# KiCad board dya-left.kicad_pcb
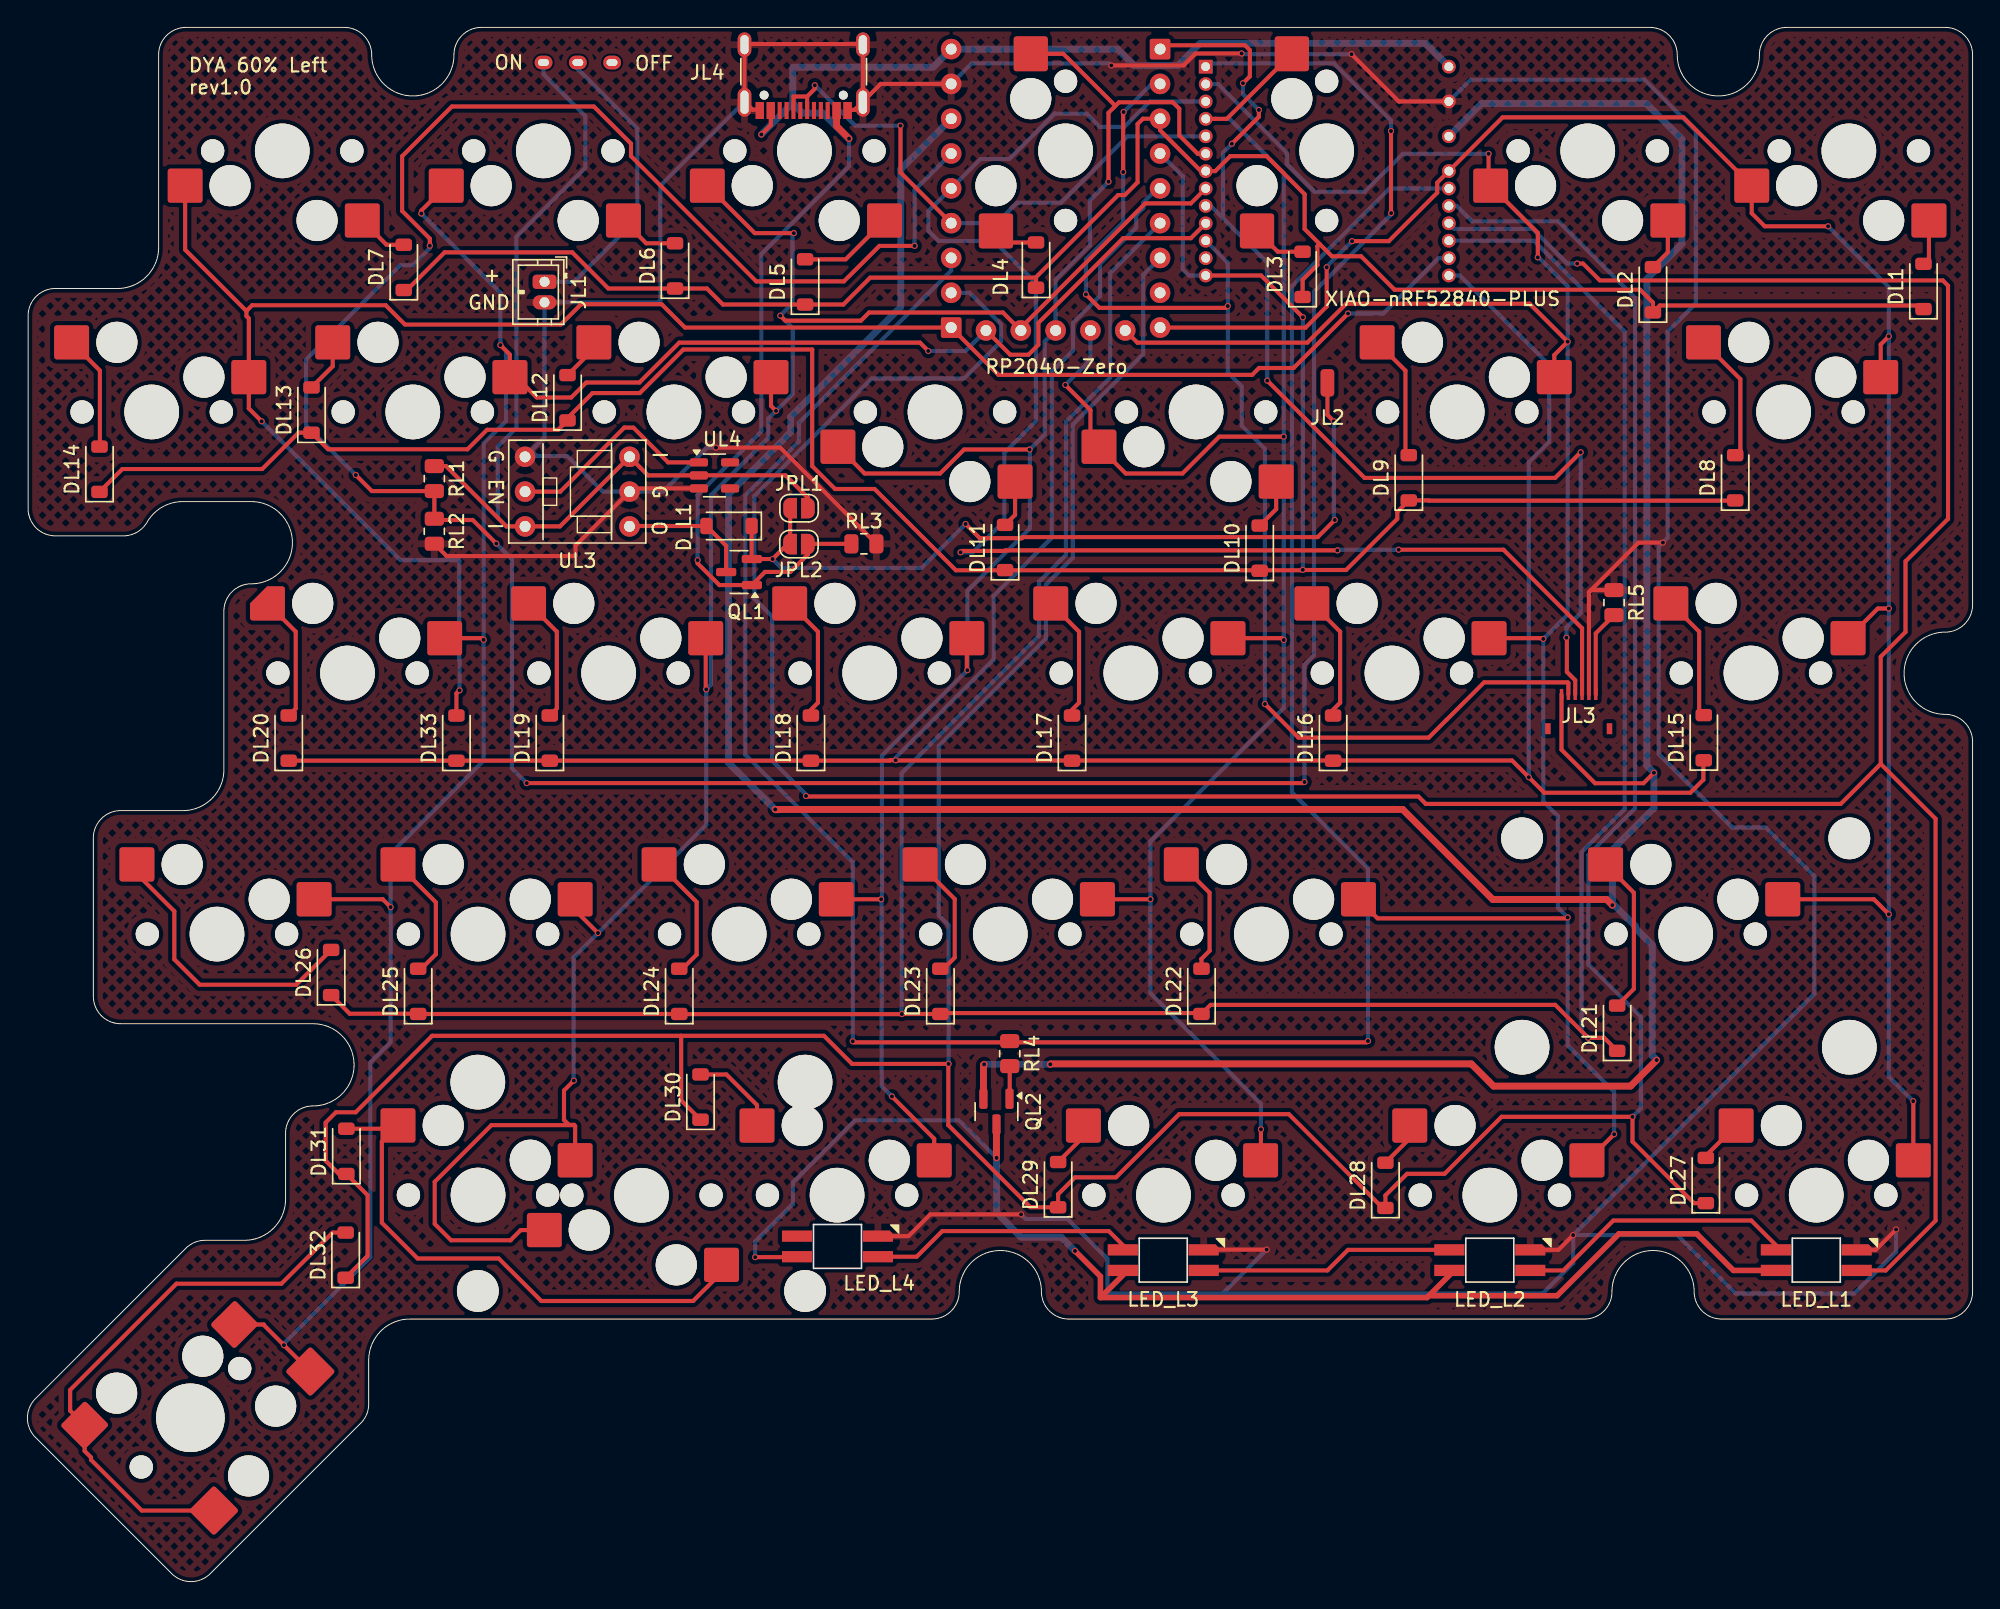
[diagram p0: board, top side]
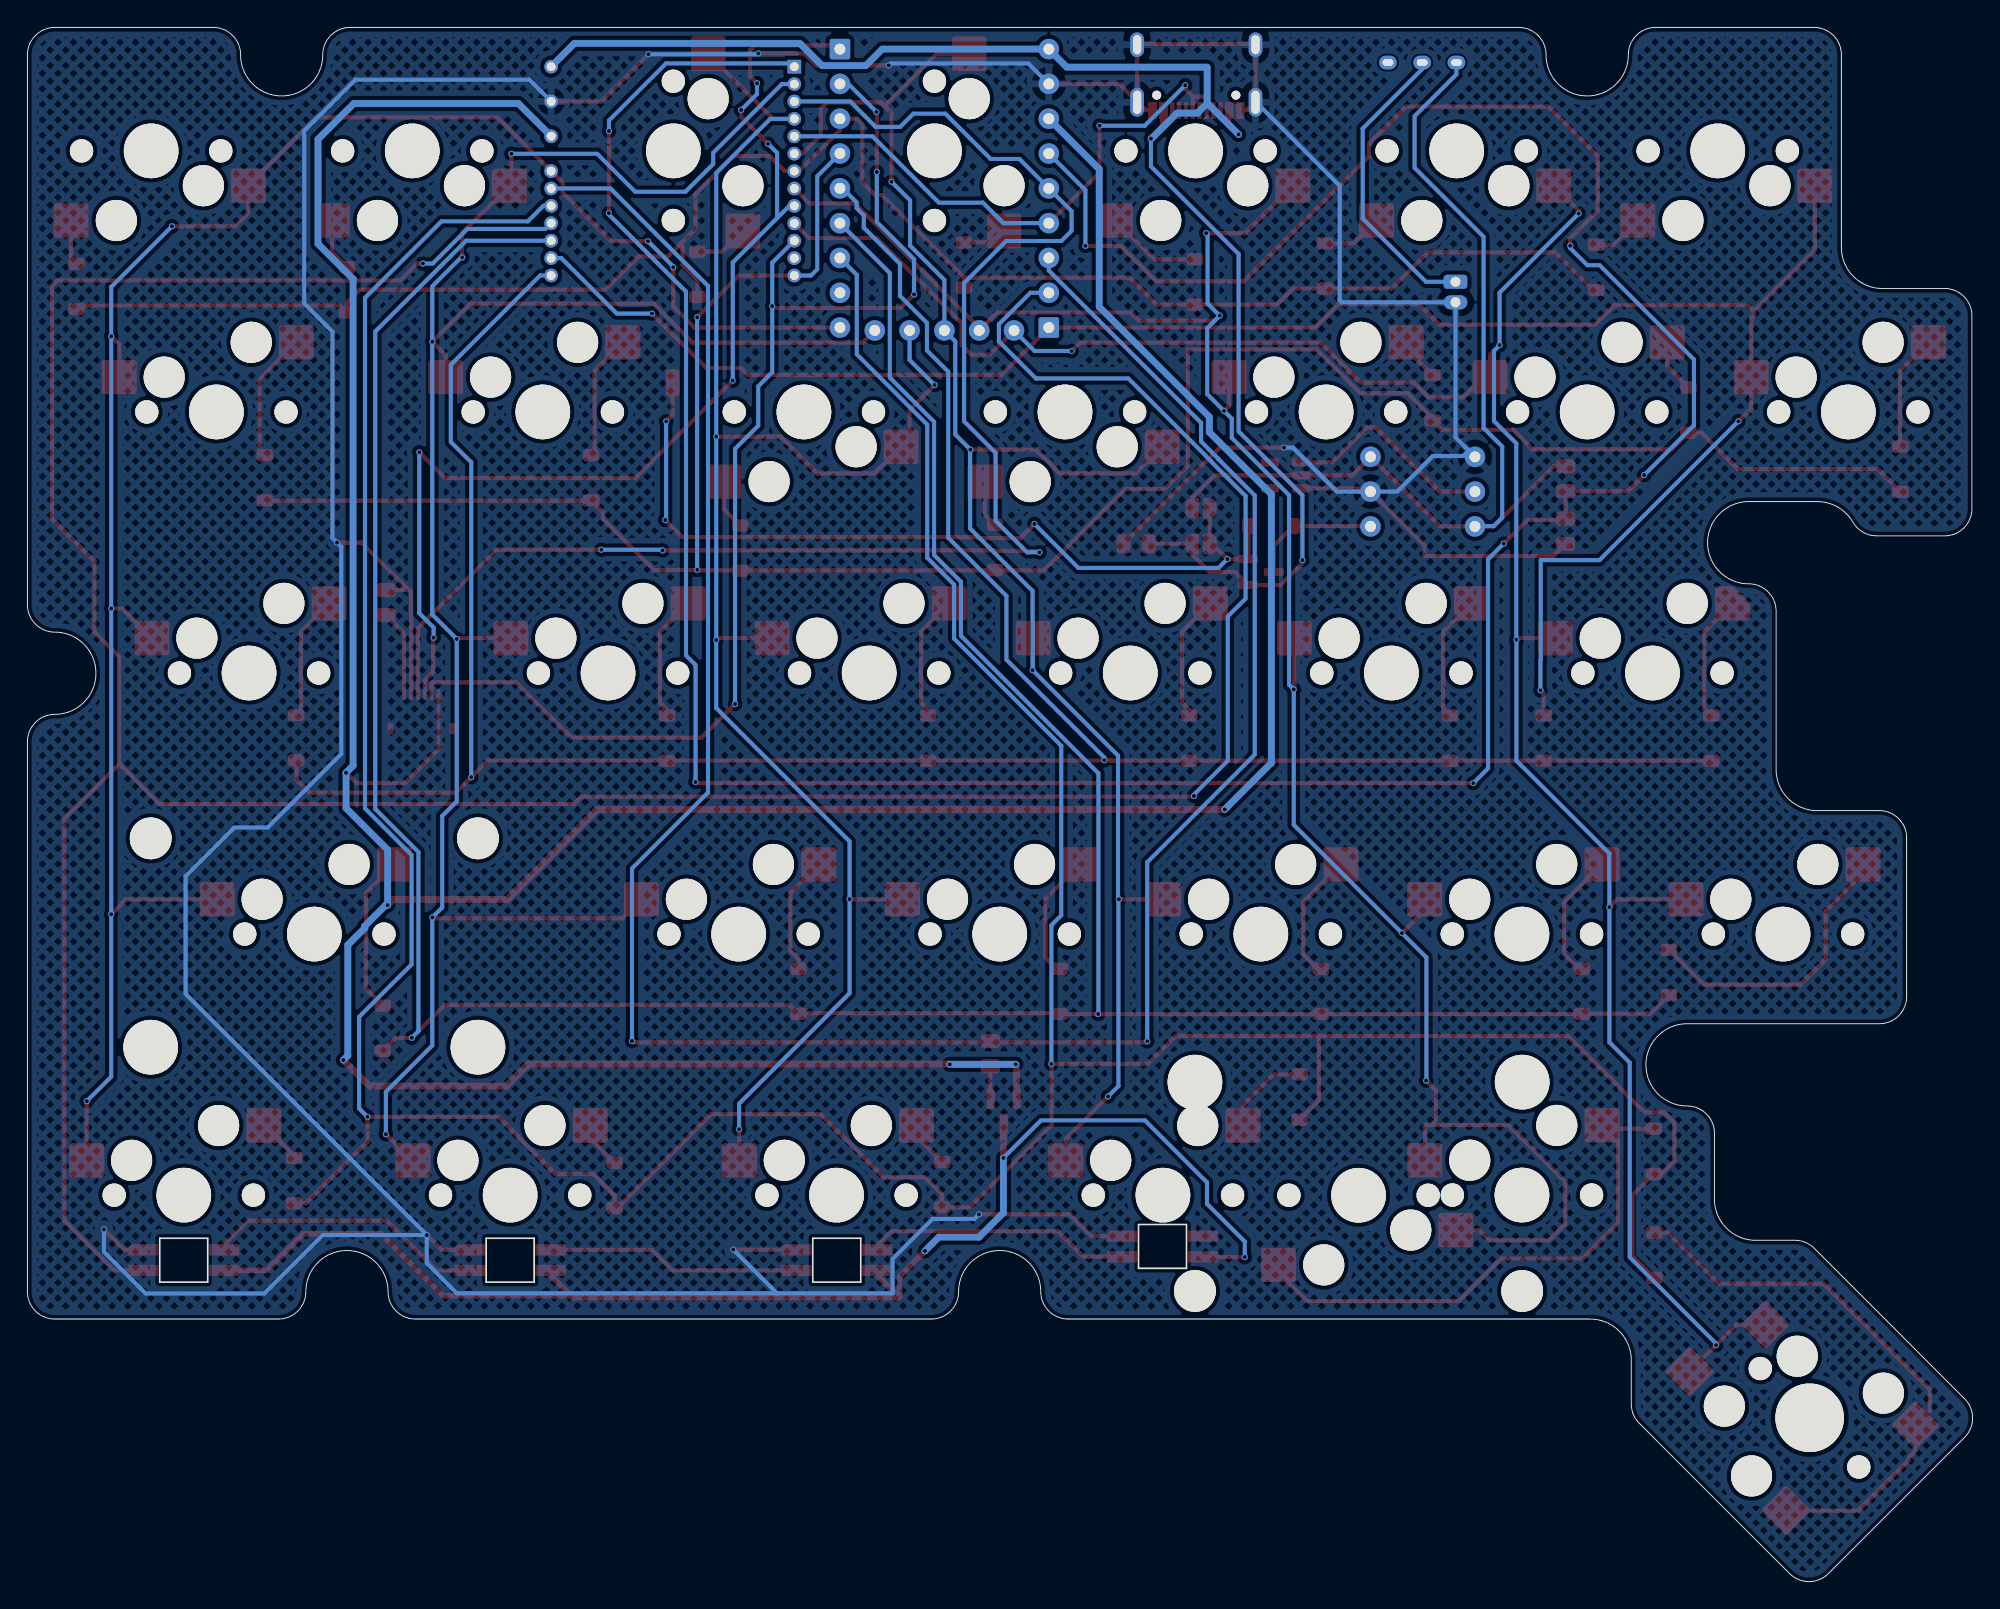
[diagram p1: board, bottom side, seen from below]

Outline 141.92 x 113.41 mm; copper layers: Top, Bottom. Coordinates in mm from the lower left corner of the outline.
Outline path: outline of 1331 points within 0,0 141.92,113.41 closed

## Placement (name value [footprint] x y rotation side)
D_L1  D  [D_SOD-123]  51.19 77.03 180 top
DL1  D  [D_SOD-123]  138.34 94.51 90 top
DL2  D  [D_SOD-123]  118.6 94.27 90 top
DL3  D  [D_SOD-123]  93.04 95.39 90 top
DL4  D  [D_SOD-123]  73.59 96.07 90 top
DL5  D  [D_SOD-123]  56.74 94.84 90 top
DL6  D  [D_SOD-123]  47.25 96.01 90 top
DL7  D  [D_SOD-123]  27.46 95.9 90 top
DL8  D  [D_SOD-123]  124.6 80.55 90 top
DL9  D  [D_SOD-123]  100.79 80.55 90 top
DL10  D  [D_SOD-123]  89.91 75.41 90 top
DL11  D  [D_SOD-123]  71.33 75.46 90 top
DL12  D  [D_SOD-123]  39.41 86.39 90 top
DL13  D  [D_SOD-123]  20.73 85.49 90 top
DL14  D  [D_SOD-123]  5.26 81.17 90 top
DL15  D  [D_SOD-123]  122.31 61.58 90 top
DL16  D  [D_SOD-123]  95.26 61.55 90 top
DL17  D  [D_SOD-123]  76.21 61.55 90 top
DL18  D  [D_SOD-123]  57.16 61.55 90 top
DL19  D  [D_SOD-123]  38.11 61.55 90 top
DL20  D  [D_SOD-123]  19.06 61.55 90 top
DL21  D  [D_SOD-123]  115.99 40.38 90 top
DL22  D  [D_SOD-123]  85.66 43.07 90 top
DL23  D  [D_SOD-123]  66.61 43.07 90 top
DL24  D  [D_SOD-123]  47.56 43.07 90 top
DL25  D  [D_SOD-123]  28.51 43.07 90 top
DL26  D  [D_SOD-123]  22.16 44.45 90 top
DL27  D  [D_SOD-123]  122.46 29.27 90 top
DL28  D  [D_SOD-123]  99.08 28.92 90 top
DL29  D  [D_SOD-123]  75.2 28.97 90 top
DL30  D  [D_SOD-123]  49.11 35.36 90 top
DL31  D  [D_SOD-123]  23.27 31.4 90 top
DL32  D  [D_SOD-123]  23.22 23.82 90 top
DL33  D  [D_SOD-123]  31.3 61.55 90 top
JL1  Conn_01x02_Pin  [JST_ZH_B2B-ZR_1x02_P1.50mm_Vertical]  37.73 94.85 270 top
JL2  Conn_01x01_Pin  [SolderWirePad_1x01_SMD_1x2mm]  94.85 87.48 180 top
JL3  Conn_01x04  [JUSHUO-AFH34-S06FIA-1H]  113.18 64.74 0 top
JL4  USB_C_Receptacle_USB2.0_14P  [USB_C_Receptacle_G-Switch_GT-USB-7010ASV]  56.64 111.07 180 top
JPL1  Jumper_2_Open  [SolderJumper-2_P1.3mm_Open_RoundedPad1.0x1.5mm]  56.3 78.33 0 top
JPL2  Jumper_2_Open  [SolderJumper-2_P1.3mm_Open_RoundedPad1.0x1.5mm]  56.29 75.71 180 top
LED_L1  SK6812  [LED_SK6812MINI-E_BL]  130.52 23.46 0 top
LED_L2  SK6812  [LED_SK6812MINI-E_BL]  106.7 23.46 0 top
LED_L3  SK6812  [LED_SK6812MINI-E_BL]  82.87 23.46 0 top
LED_L4  SK6812  [LED_SK6812MINI-E_BL]  59.1 24.46 0 top
QL1  Q_PMOS_GSD  [SOT-23]  51.92 73.67 180 top
QL2  Q_PMOS_GSD  [SOT-23]  70.7 34.3 270 top
RL1  1MΩ  [R_0805_2012Metric]  29.69 80.49 270 top
RL2  470kΩ  [R_0805_2012Metric]  29.69 76.64 270 top
RL3  100kΩ  [R_0805_2012Metric]  61.03 75.73 0 top
RL4  100Ω  [R_0805_2012Metric]  71.67 38.53 270 top
RL5  10kΩ  [R_0805_2012Metric]  115.76 71.44 270 top
SW_BATL1  SW_SPDT  [TGSW_MSK-12D19]  40.16 111.9 0 top
SWL1  SW_Push_45deg  [MX-Hotswap-1U]  132.89 104.4 180 top
SWL2  SW_Push_45deg  [MX-Hotswap-1U]  113.84 104.4 180 top
SWL3  SW_Push_45deg  [MX-Hotswap-1U]  94.79 104.4 90 top
SWL4  SW_Push_45deg  [MX-Hotswap-1U]  75.74 104.4 90 top
SWL5  SW_Push_45deg  [MX-Hotswap-1U]  56.69 104.4 180 top
SWL6  SW_Push_45deg  [MX-Hotswap-1U]  37.64 104.4 180 top
SWL7  SW_Push_45deg  [MX-Hotswap-1U]  18.59 104.4 180 top
SWL8  SW_Push_45deg  [MX-Hotswap-1.5U]  128.13 85.35 0 top
SWL9  SW_Push_45deg  [MX-Hotswap-1U]  104.32 85.35 0 top
SWL10  SW_Push_45deg  [MX-Hotswap-1U]  85.27 85.35 180 top
SWL11  SW_Push_45deg  [MX-Hotswap-1U]  66.22 85.35 180 top
SWL12  SW_Push_45deg  [MX-Hotswap-1U]  47.17 85.35 0 top
SWL13  SW_Push_45deg  [MX-Hotswap-1U]  28.12 85.35 0 top
SWL14  SW_Push_45deg  [MX-Hotswap-1U]  9.07 85.35 0 top
SWL15  SW_Push_45deg  [MX-Hotswap-1.75U]  125.75 66.3 0 top
SWL16  SW_Push_45deg  [MX-Hotswap-1U]  99.56 66.3 0 top
SWL17  SW_Push_45deg  [MX-Hotswap-1U]  80.51 66.3 0 top
SWL18  SW_Push_45deg  [MX-Hotswap-1U]  61.46 66.3 0 top
SWL19  SW_Push_45deg  [MX-Hotswap-1U]  42.41 66.3 0 top
SWL20  SW_Push_45deg  [MX-Hotswap-1U]  23.36 66.3 0 top
SWL21  SW_Push_45deg  [MX-Hotswap-2.25U]  120.99 47.25 0 top
SWL22  SW_Push_45deg  [MX-Hotswap-1U]  90.03 47.25 0 top
SWL23  SW_Push_45deg  [MX-Hotswap-1U]  70.98 47.25 0 top
SWL24  SW_Push_45deg  [MX-Hotswap-1U]  51.93 47.25 0 top
SWL25  SW_Push_45deg  [MX-Hotswap-1U]  32.88 47.25 0 top
SWL26  SW_Push_45deg  [MX-Hotswap-1U]  13.83 47.25 0 top
SWL27  SW_Push_45deg  [MX-Hotswap-1.25U]  130.51 28.2 0 top
SWL28  SW_Push_45deg  [MX-Hotswap-1.25U]  106.7 28.2 0 top
SWL29  SW_Push_45deg  [MX-Hotswap-1.25U]  82.89 28.2 0 top
SWL30  SW_Push_45deg  [MX-Hotswap-1.25U]  59.07 28.2 0 top
SWL31  SW_Push_45deg  [MX-Hotswap-1U]  32.88 28.21 0 top
SWL31-hole1  SW_Push_45deg  [MX-Hotswap-2.75U-ReversedStabilizers]  44.8 28.19 0 top
SWL31-hole2  SW_Push_45deg  [MX-Hotswap-1U]  44.8 28.19 180 top
SWL32  SW_Push_45deg  [MX-KailhChocV2-Hybrid-Hotswap-1U]  12.03 11.95 45 top
UL1  -  [RP2040-Zero]  64.86 88.97 0 top
UL2  XIAO-nRF52840-PLUS  [XIAO_nRF52840_plus]  94.86 102.92 90 top
UL3  -  [AE-XCL103]  40.12 79.54 90 bottom
UL4  S1009  [SOT-23-5]  50.13 80.72 0 top

## Library data of the parts
D_L1 DL1-DL33 = -: Description: Diode; Sim.Pins: 1=K 2=A; LCSC: C81598; ki_fp_filters: TO-???* *_Diode_* *SingleDiode* D_*
JL1 = -: Description: Generic connector, single row, 01x02, script generated; ki_fp_filters: Connector*:*_1x??_*
JL2 = -: Description: Generic connector, single row, 01x01, script generated; ki_fp_filters: Connector*:*_1x??_*
JL3 = -: Description: Generic connector, single row, 01x06, script generated (kicad-library-utils/schlib/autogen/connector/); LCSC: C5139821; ki_fp_filters: Connector*:*_1x??_*
JL4 = -: Datasheet: https://www.usb.org/sites/default/files/documents/usb_type-c.zip; Description: USB 2.0-only 14P Type-C Receptacle connector; LCSC: C2927038; ki_fp_filters: USB*C*Receptacle*
JPL1 JPL2 = -: Description: Jumper, 2-pole, open; ki_fp_filters: Jumper* TestPoint*2Pads* TestPoint*Bridge*
LED_L1-LED_L4 = -: Datasheet: https://cdn-shop.adafruit.com/product-files/2686/SK6812MINI_REV.01-1-2.pdf; Description: RGB LED with integrated controller; LCSC: C5149201; ki_fp_filters: LED*SK6812MINI*PLCC*3.5x3.5mm*P1.75mm*
QL1 QL2 = -: Description: P-MOSFET transistor, gate/source/drain; LCSC: C15127
RL1 = -: Description: Resistor; LCSC: C17514; ki_fp_filters: R_*
RL2 = -: Description: Resistor; LCSC: C17709; ki_fp_filters: R_*
RL3 = -: Description: Resistor; LCSC: C149504; ki_fp_filters: R_*
RL4 = -: Description: Resistor; LCSC: C17408; ki_fp_filters: R_*
RL5 = -: Description: Resistor; LCSC: C17414; ki_fp_filters: R_*
SW_BATL1 = -: Description: Switch, single pole double throw; Field5: MSK-12D19
SWL1-SWL31 SWL31-hole2 SWL32 = -: Description: Push button switch, normally open, two pins, 45° tilted; LCSC: C41430893
SWL31-hole1 = -: Description: Push button switch, normally open, two pins, 45° tilted
UL3 = -: Description: https://akizukidenshi.com/goodsaffix/AE-XCL103-3V3.pdf; ki_fp_filters: Connector*:*_2x??_*
UL4 = -: Datasheet: https://www.ablic.com/jp/doc/datasheet/voltage_detector/S1009_J.pdf; Description: Microprocessor Reset (active-low) Circuit, SOT-23; ki_fp_filters: SOT?23*

## Footprints (pads in the part's own frame, mm; a bottom-side part is the same pattern mirrored in y, then rotated)
AE-XCL103
  round 1.5 hole 0.8: 1(-2.54,-3.81) 2(0,-3.81) 3(2.54,-3.81) 4(2.54,3.81) 5(0,3.81) 6(-2.54,3.81)
D_SOD-123
  rrect 0.9x1.2 smd: 1(-1.65,0) 2(1.65,0)
JST_ZH_B2B-ZR_1x02_P1.50mm_Vertical
  rrect 1.03x1.73 hole 0.73: 1(0,0)
  oval 1.03x1.73 hole 0.73: 2(1.5,0)
JUSHUO-AFH34-S06FIA-1H
  rect 0.4x0.8 smd: 0(-2.25,-2.5) 0(2.25,-2.5)
  rect 0.25x0.8 smd: 1(-1.25,0) 2(-0.75,0) 3(-0.25,0) 4(0.25,0) 5(0.75,0) 6(1.25,0)
LED_SK6812MINI-E_BL
  rect 2.2x0.82 smd: 1(-2.6,0.75) 3(2.6,-0.75) 4(-2.6,-0.75)
  rrect 2.2x0.82 smd: 2(2.6,0.75)
MX-Hotswap-1.5U
  round 1.702 hole 1.702 unplated: (-5.08,0) (5.08,0)
  round 3 hole 3 unplated: (-2.54,5.08) (3.81,2.54)
  round 3.988 hole 3.988 unplated: (0,0)
  rrect 2.55x2.5 smd: 1(7.085,2.54) 2(-5.842,5.08)
MX-Hotswap-1.25U
  round 1.702 hole 1.702 unplated: (-5.08,0) (5.08,0)
  round 3 hole 3 unplated: (-2.54,5.08) (3.81,2.54)
  round 3.988 hole 3.988 unplated: (0,0)
  rrect 2.55x2.5 smd: 1(7.085,2.54) 2(-5.842,5.08)
MX-Hotswap-1.75U
  round 1.702 hole 1.702 unplated: (-5.08,0) (5.08,0)
  round 3 hole 3 unplated: (-2.54,5.08) (3.81,2.54)
  round 3.988 hole 3.988 unplated: (0,0)
  rrect 2.55x2.5 smd: 1(7.085,2.54) 2(-5.842,5.08)
MX-Hotswap-1U
  round 1.702 hole 1.702 unplated: (-5.08,0) (5.08,0)
  round 3 hole 3 unplated: (-2.54,5.08) (3.81,2.54)
  round 3.988 hole 3.988 unplated: (0,0)
  rrect 2.55x2.5 smd: 1(7.085,2.54) 2(-5.842,5.08)
MX-Hotswap-2.25U
  round 3.048 hole 3.048 unplated: (-11.938,6.985) (11.938,6.985)
  round 3.988 hole 3.988 unplated: (-11.938,-8.255) (0,0) (11.938,-8.255)
  round 1.702 hole 1.702 unplated: (-5.08,0) (5.08,0)
  round 3 hole 3 unplated: (-2.54,5.08) (3.81,2.54)
  rrect 2.55x2.5 smd: 1(7.085,2.54) 2(-5.842,5.08)
MX-Hotswap-2.75U-ReversedStabilizers
  round 3.988 hole 3.988 unplated: (-11.938,8.255) (11.938,8.255)
  round 3.048 hole 3.048 unplated: (-11.938,-6.985) (11.938,-6.985)
MX-KailhChocV2-Hybrid-Hotswap-1U
  round 1.702 hole 1.702 unplated: (-5.175,0.095) (4.985,0.095)
  round 3 hole 3 unplated: (-2.635,5.175) (-0.1,-5.9) (3.715,2.635) (4.9,-3.7)
  round 5 hole 5.1 unplated: (-0.1,0.1)
  rrect 2.55x2.5 smd: 1(6.99,2.635) 2(-5.937,5.175)
  rrect 2.6x2.6 smd: 1(8.475,-3.7) 2(-3.675,-5.9)
R_0805_2012Metric
  rrect 1.025x1.4 smd: 1(-0.912,0) 2(0.912,0)
RP2040-Zero
  rrect 1.5x1.5 hole 0.8: 0(17.78,22.86) 14(2.54,2.54)
  oval 1.5x1.5 hole 0.8: 1(17.78,20.32) 2(17.78,17.78) 3(17.78,15.24) 4(17.78,12.7) 5(17.78,10.16) 6(17.78,7.62) 7(17.78,5.08) 8(17.78,2.54) 9(15.24,2.33) 10(12.7,2.33) 11(10.16,2.33) 12(7.62,2.33) 13(5.08,2.33) 15(2.54,5.08) 26(2.54,7.62) 27(2.54,10.16) 28(2.54,12.7) 29(2.54,15.24) 30(2.54,17.78) 31(2.54,20.32) 32(2.54,22.86)
SolderJumper-2_P1.3mm_Open_RoundedPad1.0x1.5mm
  custom 1x1.5 smd: 1(-0.65,0) 2(0.65,0)
SolderWirePad_1x01_SMD_1x2mm
  rrect 1x2 smd: 1(0,0)
SOT-23
  rrect 1.475x0.6 smd: 1(-0.938,0.95) 2(-0.938,-0.95) 3(0.938,0)
SOT-23-5
  rrect 1.325x0.6 smd: 1(-1.137,0.95) 2(-1.137,0) 3(-1.137,-0.95) 4(1.137,-0.95) 5(1.137,0.95)
TGSW_MSK-12D19
  oval 1.3x1 hole 0.8x0.5: 1(-2.5,-1.05) 2(0,-1.05) 3(2.5,-1.05)
USB_C_Receptacle_G-Switch_GT-USB-7010ASV
  round 0.65 hole 0.65 unplated: (-2.89,2.605) (2.89,2.605)
  rect 0.6x1.24 smd: A1(-3.2,3.725) A4(-2.4,3.725) A9(2.4,3.725) A12(3.2,3.725) B1(3.2,3.725) B4(2.4,3.725) B9(-2.4,3.725) B12(-3.2,3.725)
  rect 0.3x1.24 smd: A5(-1.25,3.725) A6(-0.25,3.725) A7(0.25,3.725) A8(1.25,3.725) B5(1.75,3.725) B6(0.75,3.725) B7(-0.75,3.725) B8(-1.75,3.725)
  oval 1x2.1 hole 0.6x1.7: S1(-4.32,3.125) S1(4.32,3.125)
  oval 1x1.8 hole 0.6x1.4: S1(-4.32,-1.075) S1(4.32,-1.075)
XIAO_nRF52840_plus
  rect 1x1 hole 0.65: 1(7.628,8.89)
  oval 1x1 hole 0.65: 2(5.088,8.89) 3(2.547,8.89) 4(0.007,8.89) 5(-2.533,8.89) 6(-5.072,8.89) 7(-7.612,8.89) 8(-7.61,-8.85) 9(-5.07,-8.85) 10(-2.53,-8.85) 11(0.01,-8.85) 12(2.55,-8.85) 13(5.09,-8.85) 14(7.63,-8.85) 15(6.357,8.89) 16(3.817,8.89) 17(1.278,8.89) 18(-1.262,8.89) 19(-3.803,8.89) 20(-6.343,8.89) 21(-6.34,-8.85) 22(-3.8,-8.85) 23(-1.26,-8.85)

## Nets
3.3V_L: JL3.1 QL2.2 UL1.30 UL2.12
GNDL: JL1.2 JL3.5 JL4.A1 JL4.A12 JL4.B1 JL4.B12 JL4.S1 LED_L1.2 LED_L2.2 LED_L3.2 LED_L4.2 RL2.2 RL3.2 RL5.1 UL1.31 UL2.13 UL3.3 UL3.5 UL4.3
VBUS_L: JL4.A4 JL4.A9 JL4.B4 JL4.B9 JPL2.1 QL1.1 RL3.1 UL1.32 UL2.14
BAT_L: D_L1.1 JL2.1 JPL1.1 JPL2.2 QL1.2
BAT_RAW_L: JPL1.2 RL1.1 SW_BATL1.1 UL3.1 UL3.4 UL4.2
CL0: SWL1.1 SWL8.1 SWL15.1 SWL21.1 SWL27.1 UL1.8 UL2.11
CL1: SWL2.1 SWL9.1 SWL16.1 SWL22.1 SWL28.1 UL1.9 UL2.15
CL2: SWL3.1 SWL10.1 SWL17.1 SWL23.1 SWL29.1 UL1.10 UL2.16
CL3: SWL4.1 SWL11.1 SWL18.1 SWL24.1 SWL30.1 UL1.11 UL2.17
CL4: SWL5.1 SWL12.1 SWL19.1 SWL25.1 SWL31.1 SWL31-hole2.1 UL1.12 UL2.18
CL5: SWL6.1 SWL13.1 SWL20.1 SWL26.1 SWL32.1 UL1.13 UL2.19
CL6: DL33.2 SWL7.1 SWL14.1 UL1.14 UL2.21
INPUT_VOLTAGE_L: RL1.2 RL2.1 UL1.29 UL2.1
LED_EN_L: RL4.1 UL1.26 UL2.23
LED_L: LED_L1.3 UL1.15 UL2.22
LR_COM_L: JL4.A6 JL4.B6 UL1.27 UL2.3
MOTION_L: JL3.4 UL1.28 UL2.2
RL0: DL1.1 DL2.1 DL3.1 DL4.1 DL5.1 DL6.1 DL7.1 UL1.2 UL2.4
RL1: DL8.1 DL9.1 DL10.1 DL11.1 DL12.1 DL13.1 DL14.1 UL1.3 UL2.7
RL2: DL15.1 DL16.1 DL17.1 DL18.1 DL19.1 DL20.1 DL33.1 UL1.4 UL2.8
RL3: DL21.1 DL22.1 DL23.1 DL24.1 DL25.1 DL26.1 UL1.5 UL2.9
RL4: DL27.1 DL28.1 DL29.1 DL30.1 DL31.1 DL32.1 UL1.6 UL2.10
SCLK_L: JL3.2 UL1.1 UL2.6
SDIO_L: JL3.3 UL1.0 UL2.5
Net-(D_L1-A): D_L1.2 QL1.3 UL3.6
Net-(DL1-A): DL1.2 SWL1.2
Net-(DL2-A): DL2.2 SWL2.2
Net-(DL3-A): DL3.2 SWL3.2
Net-(DL4-A): DL4.2 SWL4.2
Net-(DL5-A): DL5.2 SWL5.2
Net-(DL6-A): DL6.2 SWL6.2
Net-(DL7-A): DL7.2 SWL7.2
Net-(DL8-A): DL8.2 SWL8.2
Net-(DL9-A): DL9.2 SWL9.2
Net-(DL10-A): DL10.2 SWL10.2
Net-(DL11-A): DL11.2 SWL11.2
Net-(DL12-A): DL12.2 SWL12.2
Net-(DL13-A): DL13.2 SWL13.2
Net-(DL14-A): DL14.2 SWL14.2
Net-(DL15-A): DL15.2 SWL15.2
Net-(DL16-A): DL16.2 SWL16.2
Net-(DL17-A): DL17.2 SWL17.2
Net-(DL18-A): DL18.2 SWL18.2
Net-(DL19-A): DL19.2 SWL19.2
Net-(DL20-A): DL20.2 SWL20.2
Net-(DL21-A): DL21.2 SWL21.2
Net-(DL22-A): DL22.2 SWL22.2
Net-(DL23-A): DL23.2 SWL23.2
Net-(DL24-A): DL24.2 SWL24.2
Net-(DL25-A): DL25.2 SWL25.2
Net-(DL26-A): DL26.2 SWL26.2
Net-(DL27-A): DL27.2 SWL27.2
Net-(DL28-A): DL28.2 SWL28.2
Net-(DL29-A): DL29.2 SWL29.2
Net-(DL30-A): DL30.2 SWL30.2
Net-(DL31-A): DL31.2 SWL31.2 SWL31-hole2.2
Net-(DL32-A): DL32.2 SWL32.2
Net-(JL1-Pin_1): JL1.1 SW_BATL1.2
Net-(JL3-Pin_6): JL3.6 RL5.2
Net-(LED_L1-DOUT): LED_L1.1 LED_L2.3
Net-(LED_L1-VDD): LED_L1.4 LED_L2.4 LED_L3.4 LED_L4.4 QL2.3
Net-(LED_L2-DOUT): LED_L2.1 LED_L3.3
Net-(LED_L3-DOUT): LED_L3.1 LED_L4.3
Net-(QL2-G): QL2.1 RL4.2
Net-(UL3-EN): UL3.2 UL4.1

Pads without a net: JL3 0; JL4 A5 A7 A8 B5 B7 B8; LED_L4 1; SW_BATL1 3; UL1 7; UL2 20; UL4 4 5

## Via types
v1: diameter 0.45, hole 0.3, Top to Bottom, 99 vias

## Routing (per net, layer and track width the routed paths; a pad name or vN(x,y) marks a point on that pad's centre or on a via; arc(x,y) is an arc through that point)
3.3V_L: length 278.5
  Top w0.3: JL3.1 111.93,60.71 114.38,58.26 117.91,58.26 v1(118.67,59.02) ; 54.83,56.35 v1(54.56,56.35)
  Top w0.5: 54.85,56.33 54.58,56.33 v1(54.56,56.35) 100.34,56.35 106.91,49.78 115.22,49.78 v1(115.64,49.36) ; v1(74.63,37.75) 74.66,37.78 105.35,37.78 106.97,36.16 116.97,36.16 v1(118.87,38.06) ; QL2.2 69.75,37.69 v1(69.8,37.75)
  Bottom w0.5: v1(74.63,37.75) v1(69.8,37.75) ; UL2.12 106.1,107.86 118.11,107.86 120.72,105.25 120.72,97.62 118.16,95.06 118.16,59.54 v1(118.67,59.02) 118.67,56.44 115.64,53.41 v1(115.64,49.36) 115.78,49.36 117.31,47.83 117.31,47.69 118.54,46.45 118.54,38.38 v1(118.87,38.06) ; UL1.30 63.72,103.07 63.72,93.02 55.69,84.99 55.69,83.88 51.16,79.35 51.16,59.75 v1(54.56,56.35)
GNDL: length 391.4
  Top w0.3: LED_L2.2 111.7,24.21 v1(112.78,25.29) ; 113.93,72.2 114.08,72.35 115.76,72.35 ; 113.93,72.2 117.55,75.82 v1(119.33,75.82) ; 113.93,72.2 JL3.5 ; v1(96.61,111.46) 100.06,108.01 UL2.13 ; v1(50.24,82.75) 54.92,82.75 RL3.2 ; UL4.3 44.16,79.77 UL3.5 39.99,75.6 39.99,74.84 30.58,74.84 RL2.2 ; LED_L3.2 85.49,24.23 v1(90.42,24.23) ; UL1.31 62.25,109.29 60.96,108 ; LED_L1.2 134.85,24.21 v1(136.34,25.7) ; 60.96,108 60.96,112.2 52.32,112.2 52.32,108 52.92,107.4 53.44,107.4 ; 60.96,108 60.36,107.4 59.84,107.4 ; v1(88.59,111.51) 85.23,111.51 84.36,110.64 v1(79.08,110.64) ; LED_L4.2 61.71,25.21 64.28,25.21 65.87,26.8 v1(72.5,26.8)
  Bottom w0.3: v1(88.59,111.51) 88.64,111.46 v1(96.61,111.46) ; UL3.3 37.73,83.5 JL1.2 46.02,93.35 46.18,93.51 46.18,101.86 52.32,108 ; v1(72.5,26.8) 72.83,26.47 75.88,26.47 78.8,23.55 78.8,21.04 87.23,21.04 ; UL1.31 68.89,110.78 78.94,110.78 v1(79.08,110.64) ; v1(112.78,25.29) 112.78,23.24 110.58,21.04 87.23,21.04 ; v1(112.78,25.29) 130.38,42.89 130.38,51.47 126.82,55.03 124.39,55.03 119.02,60.4 119.02,75.51 v1(119.33,75.82) 119.67,76.16 119.67,91.22 121.73,93.28 121.73,105.86 117.99,109.6 105.3,109.6 UL2.13 ; v1(112.78,25.29) 120.37,25.29 124.63,21.03 133.3,21.03 136.34,24.07 v1(136.34,25.7) ; 87.23,21.04 v1(90.42,24.23) ; v1(50.24,82.75) 49.59,82.75 46.38,79.54 UL3.5 41.98,79.54 39.38,82.14 37.17,82.14 36.77,82.53 ; 44.68,79.52 44.67,79.52
VBUS_L: length 117.6
  Top w0.3: v1(48.9,74.54) 48.9,74.3 50.48,72.72 QL1.1 53.82,73.68 55.66,73.68 56.94,74.95 JPL2.1 56.96,75.73 RL3.1 ; v1(53.55,105.6) 54.24,106.29 54.24,107.4
  Top w0.5: 59.04,107.4 59.04,106.21 v1(59.95,105.3)
  Bottom w0.3: v1(48.9,74.54) 48.9,79.28 53.55,83.93 53.55,96.87 59.95,103.27 v1(59.95,105.3) 59.9,105.3 ; 55.85,110.49 55.85,107.86 ; 85.63,112.25 85.56,112.25
  Bottom w0.5: 55.85,110.48 55.85,107.89 v1(53.55,105.6) ; UL2.14 102.01,112.25 85.63,112.25 ; 55.85,110.49 55.87,110.51 66.08,110.51 UL1.32 79.55,111.83 80.75,110.63 83.94,110.63 85.56,112.25 ; 55.85,107.86 56.55,107.16 58.04,107.16 59.9,105.3
BAT_L: length 62.1
  Top w0.3: D_L1.1 52.84,74.63 QL1.2 v1(54.37,74.62) 55.46,75.71 JPL2.2 55.65,75.72 JPL1.1 ; v1(68.45,77.18) 69.49,76.14 72.56,76.14 72.64,76.22 94.14,76.22 v1(95.39,77.47) ; JL2.1 94.85,85.14 v1(95.32,84.67)
  Bottom w0.3: v1(95.32,84.67) 95.32,77.54 v1(95.39,77.47) ; v1(68.45,77.18) 65.24,73.97 55.02,73.97 v1(54.37,74.62)
BAT_RAW_L: length 73
  Top w0.3: 48.58,80.73 55.3,80.73 56.95,79.08 JPL1.2 ; RL1.1 30.55,81.4 34.95,77 UL3.1 38.85,77 UL3.4 45.29,80.72 UL4.2
  Bottom w0.3: UL3.1 36.29,77.02 34.94,77.02 34.32,77.64 34.32,82.83 35.68,84.19 35.68,98.14 40.71,103.17 40.71,106.94 37.66,109.99 SW_BATL1.1
CL0: length 147.7
  Top w0.3: SWL8.1 135.22,90.27 v1(135.81,90.87) ; SWL27.1 137.6,35.05 v1(137.59,35.06) ; v1(131.38,98.9) 126.76,98.9 125.81,99.85 SWL1.1 120.82,106.84 107.63,106.84 UL2.11 102.86,102.08 102.86,101.35 99.32,97.81 v1(96.64,97.81) ; v1(94.8,95.91) 94.8,93.05 93.25,91.5 92.11,91.5 92.1,91.51 UL1.8 ; SWL15.1 135,71.01 v1(135.81,71.01) ; v1(135.81,48.7) 134.72,49.79 SWL21.1
  Bottom w0.3: v1(137.59,35.06) 135.81,36.84 v1(135.81,48.7) v1(135.81,71.01) v1(135.81,90.87) 135.81,94.47 v1(131.38,98.9) ; v1(96.64,97.81) 94.8,95.97 v1(94.8,95.91)
CL1: length 163
  Top w0.3: v1(106.61,104.19) 106.61,102.01 SWL2.1 110.2,98.42 v1(110.2,96.63) ; SWL28.1 113.86,30.74 v1(115.77,32.65) ; SWL9.1 111.4,89.5 v1(112.38,90.48) 109.61,93.25 96.22,93.25 93.38,90.41 80.99,90.41 UL1.9 ; SWL16.1 110.55,68.84 v1(110.6,68.79) ; SWL22.1 98.51,48.4 112.31,48.4 v1(112.38,48.47)
  Bottom w0.3: v1(106.61,104.19) 100.35,104.19 97.58,101.42 93.91,101.42 91.89,103.44 91.89,104.26 86.87,109.27 UL2.15 ; v1(115.77,32.65) 115.77,35.73 112.38,39.12 v1(112.38,48.47) 111.66,49.19 111.66,55.87 110.6,56.93 v1(110.6,68.79) 112.38,70.57 v1(112.38,90.48) 112.38,94.52 110.27,96.63 v1(110.2,96.63)
CL2: length 128.7
  Top w0.3: v1(75.73,87.32) 77.56,85.49 77.56,83.43 SWL10.1 80.13,80.86 84.27,80.86 86.96,83.55 v1(91.66,83.55) ; v1(91.66,68.71) 91.53,68.84 SWL17.1 ; SWL3.1 87.51,106.74 86.69,106.74 86.69,106.73 UL2.16 ; SWL23.1 81.93,49.79 v1(81.94,49.8) ; SWL29.1 90,30.76 v1(90,33.01)
  Bottom w0.3: v1(75.73,87.32) 77.56,89.15 UL1.10 ; UL2.16 87.72,106.73 91.66,102.79 v1(91.66,83.55) v1(91.66,68.71) 91.66,63.74 81.94,54.01 v1(81.94,49.8) 81.94,42.93 90,34.87 v1(90,33.01)
CL3: length 123.9
  Top w0.3: v1(68.58,66.5) 68.54,66.54 SWL18.1 ; SWL30.1 66.16,32.32 v1(63.07,35.4) ; SWL4.1 75.58,111.48 79.38,107.68 ; 79.38,107.68 78.88,107.18 78.88,102.15 v1(78.88,102.15) ; 79.38,107.68 79.64,107.95 83.57,107.95 84.04,107.48 84.04,105.54 85.38,104.19 UL2.17 ; SWL11.1 61.08,80.86 66.59,80.86 68.34,82.61 v1(73.12,82.61) ; v1(62.29,49.79) SWL24.1
  Bottom w0.3: v1(78.88,102.15) 77.52,100.79 77.52,97.49 75.02,94.99 UL1.11 74.22,90.5 74.22,83.71 v1(73.12,82.61) 73.14,82.59 73.14,76.85 68.58,72.29 v1(68.58,66.5) 62.35,60.27 62.35,49.85 v1(62.29,49.79) 62.32,49.76 62.32,36.16 v1(63.07,35.4)
CL4: length 153.3
  Top w0.3: v1(49.53,65.11) 49.49,65.14 SWL19.1 ; SWL5.1 53.07,98.4 v1(55.92,98.4) ; UL2.18 84.88,100.57 81.56,100.57 72.48,91.49 UL1.12 71.17,92.61 61.41,92.61 60.82,92.02 55.29,92.02 v1(54.93,92.38) ; v1(54.62,85.43) 54.25,85.79 SWL12.1 ; v1(41.63,47.32) 39.97,48.99 SWL25.1 ; 39.88,33.33 39.96,33.24 SWL31.1 ; 39.88,33.33 39.86,33.31 33.85,33.31 29.72,29.18 29.72,26.1 30.91,24.91 35.25,24.91 35.99,25.65 SWL31-hole2.1 ; 39.88,33.33 39.51,33.33 39.15,33.69 39.15,35.84 v1(39.87,36.56)
  Bottom w0.3: v1(39.87,36.56) 39.85,36.58 39.85,45.54 v1(41.63,47.32) 49.53,55.22 v1(49.53,65.11) 49.87,65.45 49.87,79.28 54.05,83.46 54.05,84.86 v1(54.62,85.43) 55.84,86.65 55.84,91.47 v1(54.93,92.38) 55.82,93.27 55.82,98.3 v1(55.92,98.4)
CL5: length 172.5
  Top w0.3: v1(33.28,68.72) 33.17,68.84 SWL20.1 ; SWL26.1 25.93,49.79 v1(26.5,49.22) ; SWL6.1 28.74,100.04 v1(28.74,99.83) ; v1(34.51,90.23) 35.2,89.53 SWL13.1 35.68,87.89 37.16,86.41 39.68,86.41 40.77,87.5 44.65,87.5 47.56,90.41 65.12,90.41 v1(65.73,89.8) ; UL1.13 71.71,89.53 73.04,89.53 73.76,90.25 73.76,91.85 79.94,98.03 84.88,98.03 UL2.19 ; SWL32.1 17.24,18.76 17.26,18.74 17.26,18.71 v1(18.72,17.25) SWL32.1
  Bottom w0.3: UL1.13 68.44,89.8 v1(65.73,89.8) ; v1(18.72,17.25) 18.72,17.37 25.02,23.68 25.02,37.88 26.5,39.36 v1(26.5,49.22) 26.5,53.13 33.28,59.91 v1(33.28,68.72) 33.29,68.73 33.29,83.06 34.92,84.69 34.92,89.82 v1(34.51,90.23) 34.51,94.06 v1(28.74,99.83)
CL6: length 144.3
  Top w0.3: SWL7.1 11.51,97.19 15.98,92.72 ; DL33.2 31.3,64.81 v1(31.53,65.04) ; 15.98,92.72 16.4,93.14 26.14,93.14 27.55,91.73 38.91,91.73 40.39,93.21 46.28,93.21 47.98,91.51 UL1.14 70.85,88.06 89.36,88.06 89.86,88.56 92.38,88.56 v1(96.35,92.53) ; 15.98,92.72 15.98,92.35 16.15,92.17 SWL14.1 16.15,85.6 v1(17.09,84.67)
  Bottom w0.3: v1(96.35,92.53) 98.92,92.53 102.97,96.58 UL2.21 ; v1(17.09,84.67) 27.22,74.54 31.51,74.54 31.51,67.25 31.53,67.23 v1(31.53,65.04)
INPUT_VOLTAGE_L: length 238.4
  Top w0.3: v1(64.73,97.47) 62.16,97.47 59.57,94.88 53.18,94.88 44.04,104.02 44.04,104.92 41.33,107.64 30.97,107.64 27.34,104.01 27.34,100.02 29.36,98 v1(29.36,97.48) ; v1(93.18,58.35) 93.1,58.27 v1(36.43,58.27) ; v1(99.49,105.85) 99.49,99.87 v1(99.5,99.86) ; v1(23.96,80.75) 25.13,79.58 29.69,79.58 RL1.2 RL2.1 29.78,77.47 32.49,77.47 v1(34.21,75.75)
  Bottom w0.3: v1(34.21,75.75) 35.35,74.61 35.35,59.35 v1(36.43,58.27) ; v1(29.36,97.48) 29.36,97.31 28.11,96.06 27.21,96.06 20.33,89.18 20.33,84.38 v1(23.96,80.75) ; v1(99.49,105.85) 99.49,106.62 95.33,110.78 86.21,110.78 UL2.1 ; UL1.29 64.73,101.54 v1(64.73,97.47) ; v1(93.18,58.35) 93.18,58.35 93.18,66.89 93.87,67.59 93.87,94.13 99.5,99.76 v1(99.5,99.86)
LED_EN_L: length 176.1
  Top w0.3: v1(60.22,39.43) 60.29,39.35 71.58,39.35 RL4.1 71.76,39.35 97.71,39.35 v1(97.81,39.45)
  Bottom w0.3: v1(97.81,39.45) 97.81,52.04 92.26,57.58 92.26,94.54 99.38,101.66 UL2.23 ; v1(60.22,39.43) 60.22,52.5 52.38,60.34 52.38,79.26 55.05,81.93 55.05,81.95 56.29,83.19 56.29,84.56 67.4,95.67 UL1.26
LED_L: length 249.7
  Top w0.3: v1(113.07,96.18) 113.5,96.18 114.73,94.95 139.74,94.95 140.13,94.56 140.13,77.55 137.03,74.45 137.03,69.3 135.22,67.49 135.22,59.67 ; 135.22,59.67 139.22,55.66 139.22,26.34 135.59,22.71 LED_L1.3 ; 135.22,59.67 132.3,56.75 102.03,56.75 101.49,57.29 56.85,57.29 v1(56.81,57.33)
  Bottom w0.3: v1(113.07,96.18) 112.35,96.18 109.82,98.71 104.12,98.71 UL2.22 ; UL1.15 68.74,94.05 71.04,91.75 71.04,90.5 68.34,87.79 61.6,87.79 55.55,81.75 55.55,81.73 53.04,79.22 53.04,71.73 54.34,70.43 54.34,59.9 56.81,57.43 v1(56.81,57.33)
LR_COM_L: length 41.3
  Top w0.3: UL1.27 63.7,102.83 v1(63.7,106.24) ; v1(57.45,109.19) 57.45,108.93 56.89,108.37 ; 56.89,108.37 55.89,108.37 55.89,107.4 ; 56.89,108.37 56.89,107.4
  Bottom w0.3: v1(57.45,109.19) 60.4,106.24 v1(63.7,106.24) ; UL2.3 80.26,105.46 75.42,100.62 72.2,100.62 70.71,99.13 UL1.27
MOTION_L: length 110.3
  Top w0.3: v1(95.58,75.25) 71.36,75.25 71.32,75.21 68.18,75.21 v1(68.08,75.11) ; v1(100.05,75.3) 107.7,75.3 113.43,69.57 JL3.4
  Bottom w0.3: v1(95.58,75.25) 95.63,75.3 v1(100.05,75.3) ; UL2.2 81.89,108 80.03,106.15 78.25,106.15 77.28,107.12 74.95,107.12 71.64,103.81 69.54,103.81 UL1.28 65.74,100.01 65.74,98.57 66.48,97.83 70.51,97.83 73.58,94.76 73.58,84.67 71.28,82.37 71.28,77.41 68.98,75.11 v1(68.08,75.11)
RL0: length 136.3
  Top w0.3: 73.55,95.15 73.59,95.11 DL4.1 ; 73.55,95.15 61.49,95.15 59.53,93.19 DL5.1 50.75,93.19 49.58,94.36 42.39,94.36 39.75,97 30.44,97 27.69,94.25 DL7.1 ; 73.55,95.15 79.58,101.18 80.07,101.18 81,102.11 81,106.36 81.39,106.75 UL1.2 82.64,105.91 85.62,102.92 UL2.4 86.67,102.92 87.76,104.02 90.41,104.02 93.19,101.24 93.19,98.7 94.28,97.61 ; DL3.1 93.04,94.99 94.12,96.07 94.12,97.45 94.28,97.61 ; 94.28,97.61 95.18,96.71 97.31,96.71 99.75,94.27 117.67,94.27 118.6,93.34 DL2.1 119.1,93.12 138.08,93.12 DL1.1
RL1: length 176.6
  Top w0.3: DL8.1 124.58,78.88 102.25,78.88 102.23,78.9 DL9.1 99.94,78.05 99.94,77.55 96.21,73.82 93.06,73.82 v1(93.05,73.83) 93.02,73.8 67.74,73.8 61.81,79.73 58.93,79.73 57.26,81.4 57.26,89.91 47.86,89.91 44.68,86.73 41.23,86.73 39.41,84.91 DL12.1 38.72,84.05 33.53,84.05 32.11,82.63 21.94,82.63 DL13.1 19.78,83.84 17.13,81.18 6.93,81.18 DL14.1 ; UL2.7 90.01,95.3 v1(93.06,92.26)
  Bottom w0.3: v1(93.06,92.26) 93.06,73.84 v1(93.05,73.83) ; UL2.7 84.75,95.3 84.3,95.76 84.3,102.55 UL1.3
RL2: length 196.9
  Top w0.3: DL20.1 19.07,59.91 31.61,59.91 ; 31.61,59.91 31.6,59.9 DL33.1 ; 31.61,59.91 62.92,59.91 62.95,59.94 v1(63.35,59.94) 63.37,59.92 108.32,59.92 v1(109.54,58.7) 110.67,57.57 121.33,57.57 122.28,58.51 122.28,59.9 DL15.1
  Bottom w0.3: UL1.4 82.45,101.67 81.42,100.64 81.42,100.23 80.9,99.71 80.9,98.8 78.26,96.16 78.26,93.82 76.29,91.85 76.29,89.84 74.74,88.29 74.74,76.18 70.49,71.93 70.49,67.27 63.35,60.13 v1(63.35,59.94) ; v1(109.54,58.7) 109.54,81.68 111.03,83.17 111.03,88.79 104.51,95.31 UL2.8
RL3: length 230.3
  Top w0.3: DL21.1 115.04,39.68 v1(113.88,39.68) 111.47,42.09 86.33,42.09 DL22.1 85.59,41.49 66.68,41.49 DL23.1 66.61,41.42 v1(63.8,41.42) 63.79,41.41 47.57,41.41 47.56,41.42 ; DL24.1 DL25.1 28.49,41.44 23.52,41.44 DL26.1
  Bottom w0.3: v1(113.88,39.68) 113.39,40.17 113.39,53.23 116.54,56.38 116.54,91.22 109.91,97.85 UL2.9 ; v1(63.8,41.42) 63.78,41.44 63.78,58.98 73.81,69.01 73.81,72.95 75.77,74.91 75.77,84.63 79,87.86 79,95.49 UL1.5
RL4: length 289.8
  Top w0.3: DL27.1 121.6,27.62 117.11,32.11 v1(117.11,33.92) 107.55,33.92 103.39,29.76 100.66,29.76 99.08,28.18 DL28.1 98.88,27.27 92.04,34.11 84.03,34.11 79.42,29.5 76.43,29.5 75.2,28.27 DL29.1 73.18,27.32 67.19,33.31 67.19,37.76 v1(67.21,37.78) 60.17,37.78 58.12,39.83 47.7,39.83 ; 47.7,39.83 29.53,39.83 23.95,34.25 22.51,34.25 21.76,33.5 21.76,30.72 22.73,29.75 DL31.1 24.82,28.2 24.82,23.77 DL32.1 ; 47.7,39.83 47.7,35.12 DL30.1
  Bottom w0.3: v1(67.21,37.78) 67.21,47.9 66.49,48.61 66.49,60.99 74.31,68.81 74.31,72.75 76.27,74.71 76.27,84.43 81.41,89.57 81.41,95.36 UL1.6 ; UL2.10 104.28,100.39 105.41,99.26 111.71,99.26 117.29,93.68 117.29,56.42 113.89,53.02 113.89,45.04 117.72,41.21 117.72,34.53 v1(117.11,33.92)
SCLK_L: length 90
  Top w0.3: v1(79.95,102.86) 79.95,107.21 v1(79.98,107.24) ; v1(77.23,93.93) 78.21,92.95 87.45,92.95 v1(87.58,93.08) ; JL3.2 112.43,65.57 112.38,65.62 106.28,65.62 103.55,62.88 103.54,62.88 102.24,61.59 92.74,61.59 v1(90.29,64.04)
  Bottom w0.3: v1(77.23,93.93) 77.23,96.49 79.95,99.21 v1(79.95,102.86) ; UL1.1 82.03,109.29 v1(79.98,107.24) ; UL2.6 87.58,96.23 87.58,88.24 88.6,87.22 88.6,84.35 90.29,82.66 v1(90.29,64.04)
SDIO_L: length 80.6
  Top w0.3: UL1.0 82.92,112.11 88.84,112.11 89.19,111.75 89.19,109.84 v1(88.69,109.34) ; v1(112.29,68.88) 112.32,68.85 112.32,66.38 112.93,65.77 JL3.3 ; v1(90.46,87.64) 97.56,80.54 111.46,80.54 v1(113.33,82.41) ; v1(87.88,104.92) 89.85,106.89 v1(89.85,107.39)
  Bottom w0.3: v1(90.46,87.64) 90.46,96.26 87.22,99.49 ; v1(88.69,109.34) 88.69,108.55 v1(89.85,107.39) ; UL2.5 86.33,100.38 87.22,99.49 ; 87.22,99.49 87.22,104.26 v1(87.88,104.92) ; v1(112.29,68.88) 112.29,69.63 113.33,70.67 v1(113.33,82.41)
Net-(D_L1-A): length 9.6
  Top w0.3: D_L1.2 49.52,77.01 ; D_L1.2 50.98,75.58 QL1.3 ; D_L1.2 43.96,77.03 UL3.6
Net-(DL1-A): length 3.3
  Top w0.3: SWL1.2 138.74,96.55 DL1.2
Net-(DL2-A): length 3.9
  Top w0.3: DL2.2 119.69,97 SWL2.2
Net-(DL3-A): length 4
  Top w0.3: SWL3.2 91.23,97.04 DL3.2
Net-(DL4-A): length 3.3
  Top w0.3: DL4.2 71.5,97.72 SWL4.2
Net-(DL5-A): length 7
  Top w0.3: SWL5.2 59.7,96.49 DL5.2
Net-(DL6-A): length 4.5
  Top w0.3: SWL6.2 45.15,97.66 DL6.2
Net-(DL7-A): length 3.8
  Top w0.3: DL7.2 26.21,97.55 SWL7.2
Net-(DL8-A): length 9.5
  Top w0.3: SWL8.2 124.98,87.74 124.98,82.58 DL8.2
Net-(DL9-A): length 9.2
  Top w0.3: DL9.2 100.54,82.44 100.54,88.37 SWL9.2
Net-(DL10-A): length 3.7
  Top w0.3: DL10.2 91.11,78.26 SWL10.2
Net-(DL11-A): length 3.5
  Top w0.3: SWL11.2 72.06,77.84 DL11.2
Net-(DL12-A): length 3.2
  Top w0.3: SWL12.2 41.33,89.95 DL12.2
Net-(DL13-A): length 3.9
  Top w0.3: SWL13.2 22.28,88.68 DL13.2
Net-(DL14-A): length 8.5
  Top w0.3: SWL14.2 5.29,88.37 5.29,82.85 DL14.2
Net-(DL15-A): length 9.1
  Top w0.3: DL15.2 121.97,63.57 121.97,69.32 SWL15.2
Net-(DL16-A): length 8.9
  Top w0.3: SWL16.2 95.78,69.32 95.78,64.13 95.18,63.53
Net-(DL17-A): length 8.9
  Top w0.3: 76.13,63.53 76.73,64.13 76.73,69.32 SWL17.2
Net-(DL18-A): length 8.9
  Top w0.3: 57.08,63.53 57.68,64.13 57.68,69.32 SWL18.2
Net-(DL19-A): length 9.2
  Top w0.3: SWL19.2 38.63,69.32 38.63,63.71 DL19.2
Net-(DL20-A): length 9.2
  Top w0.3: DL20.2 19.58,63.71 19.58,69.32 SWL20.2
Net-(DL21-A): length 11.7
  Top w0.3: SWL21.2 117.21,50.27 117.21,43.25 DL21.2
Net-(DL22-A): length 8.7
  Top w0.3: DL22.2 85.66,45.43 85.66,45.43 86.25,46.03 86.25,50.27 SWL22.2
Net-(DL23-A): length 9.6
  Top w0.3: SWL23.2 67.66,49.81 67.66,45.54 66.61,44.49 DL23.2
Net-(DL24-A): length 9.7
  Top w0.3: DL24.2 47.56,44.49 48.83,45.76 48.83,49.59 SWL24.2
Net-(DL25-A): length 9.8
  Top w0.3: SWL25.2 29.8,49.57 29.8,45.78 28.51,44.49 DL25.2
Net-(DL26-A): length 21.3
  Top w0.3: DL26.2 19.62,43.56 12.57,43.56 10.72,45.41 10.72,48.92 7.99,51.65 SWL26.2
Net-(DL27-A): length 3.3
  Top w0.3: DL27.2 122.46,31.07 SWL27.2
Net-(DL28-A): length 3.4
  Top w0.3: DL28.2 100.86,32.34 SWL28.2
Net-(DL29-A): length 3.4
  Top w0.3: SWL29.2 77.05,32.46 DL29.2
Net-(DL30-A): length 7
  Top w0.3: DL30.2 51,37.01 53.23,34.77 SWL30.2 53.23,32.83
Net-(DL31-A): length 40
  Top w0.3: SWL31-hole2.2 50.64,22.55 48.57,20.48 37.49,20.48 34.39,23.58 28.47,23.58 25.86,26.19 25.86,32.11 SWL31.2 26.8,33.05 DL31.2
Net-(DL32-A): length 41.1
  Top w0.3: SWL32.2 8.34,5.18 4.64,8.89 4.64,9.07 4.17,9.53 SWL32.2 3.12,12.47 3.12,13.99 10.87,21.74 18.53,21.74 22.26,25.47 DL32.2
Net-(JL1-Pin_1): length 21.9
  Bottom w0.3: SW_BATL1.2 40.16,110.37 44.5,106.03 44.5,99.47 39.88,94.85 JL1.1
Net-(JL3-Pin_6): length 6.3
  Top w0.3: RL5.2 114.43,69.2 JL3.6
Net-(LED_L1-DOUT): length 21
  Top w0.3: LED_L1.1 125.78,26.35 115.71,26.35 112.07,22.71 LED_L2.3
Net-(LED_L1-VDD): length 103.6
  Top w0.3: LED_L4.4 56.47,23.68 v1(53.1,23.68) ; 70.7,30.92 v1(70.71,30.92) ; 102.26,20.87 102.12,20.73
  Top w0.4: 78.29,20.73 LED_L3.4 ; 78.29,20.73 78.29,22.27 v1(76.43,24.13) ; 78.29,20.73 102.12,20.73 LED_L2.4 ; LED_L1.4 124.47,22.71 121.8,25.38 116.12,25.38 111.61,20.87 102.26,20.87
  Top w0.5: QL2.3 70.7,30.92
  Bottom w0.3: v1(70.71,30.92) 67.97,33.66 60.38,33.66 55.86,29.14 55.86,27.57 53.1,24.81 v1(53.1,23.68)
  Bottom w0.5: v1(76.43,24.13) 75.42,25.14 72.49,25.14 70.71,26.92 v1(70.71,30.92)
Net-(LED_L2-DOUT): length 19.3
  Top w0.3: LED_L3.3 94.85,22.71 96.35,24.21 LED_L2.1
Net-(LED_L3-DOUT): length 19.9
  Top w0.3: LED_L4.3 64.88,23.71 66.75,25.58 78.9,25.58 LED_L3.1
Net-(QL2-G): length 2.5
  Top w0.3: QL2.1 71.67,35.25 71.67,37.7
Net-(UL3-EN): length 15.7
  Top w0.3: UL3.2 38.88,79.54 43.55,84.21 44.21,84.21 46.75,81.67 UL4.1

## Copper pours and planes (outline as drawn; the poured copper is in the pictures)
GNDL on Top: -11.27,117.95 146.66,117.95 146.51,0.72 -11.87,-2.24
GNDL on Bottom: -11.27,117.95 146.66,117.95 146.51,0.72 -11.87,-2.24 -7.71,112.05

## Text on the board
F.Silkscreen: DYA 60% Left / rev1.0 | GND | + | ON | OFF
